# Altium PCB RX_test_01.PcbDoc (part 2 of 3)
Units mm, origin at the board's own origin, x right, y up, seen from the top; angles counter-clockwise.
Board outline 200 x 100 mm, 4 copper layers (Top Copper, Signal Layer 1, Signal Layer 2, Bottom Copper), stack 1.57 mm thick; 283 components, 176 nets, 839 pads, 935 vias.
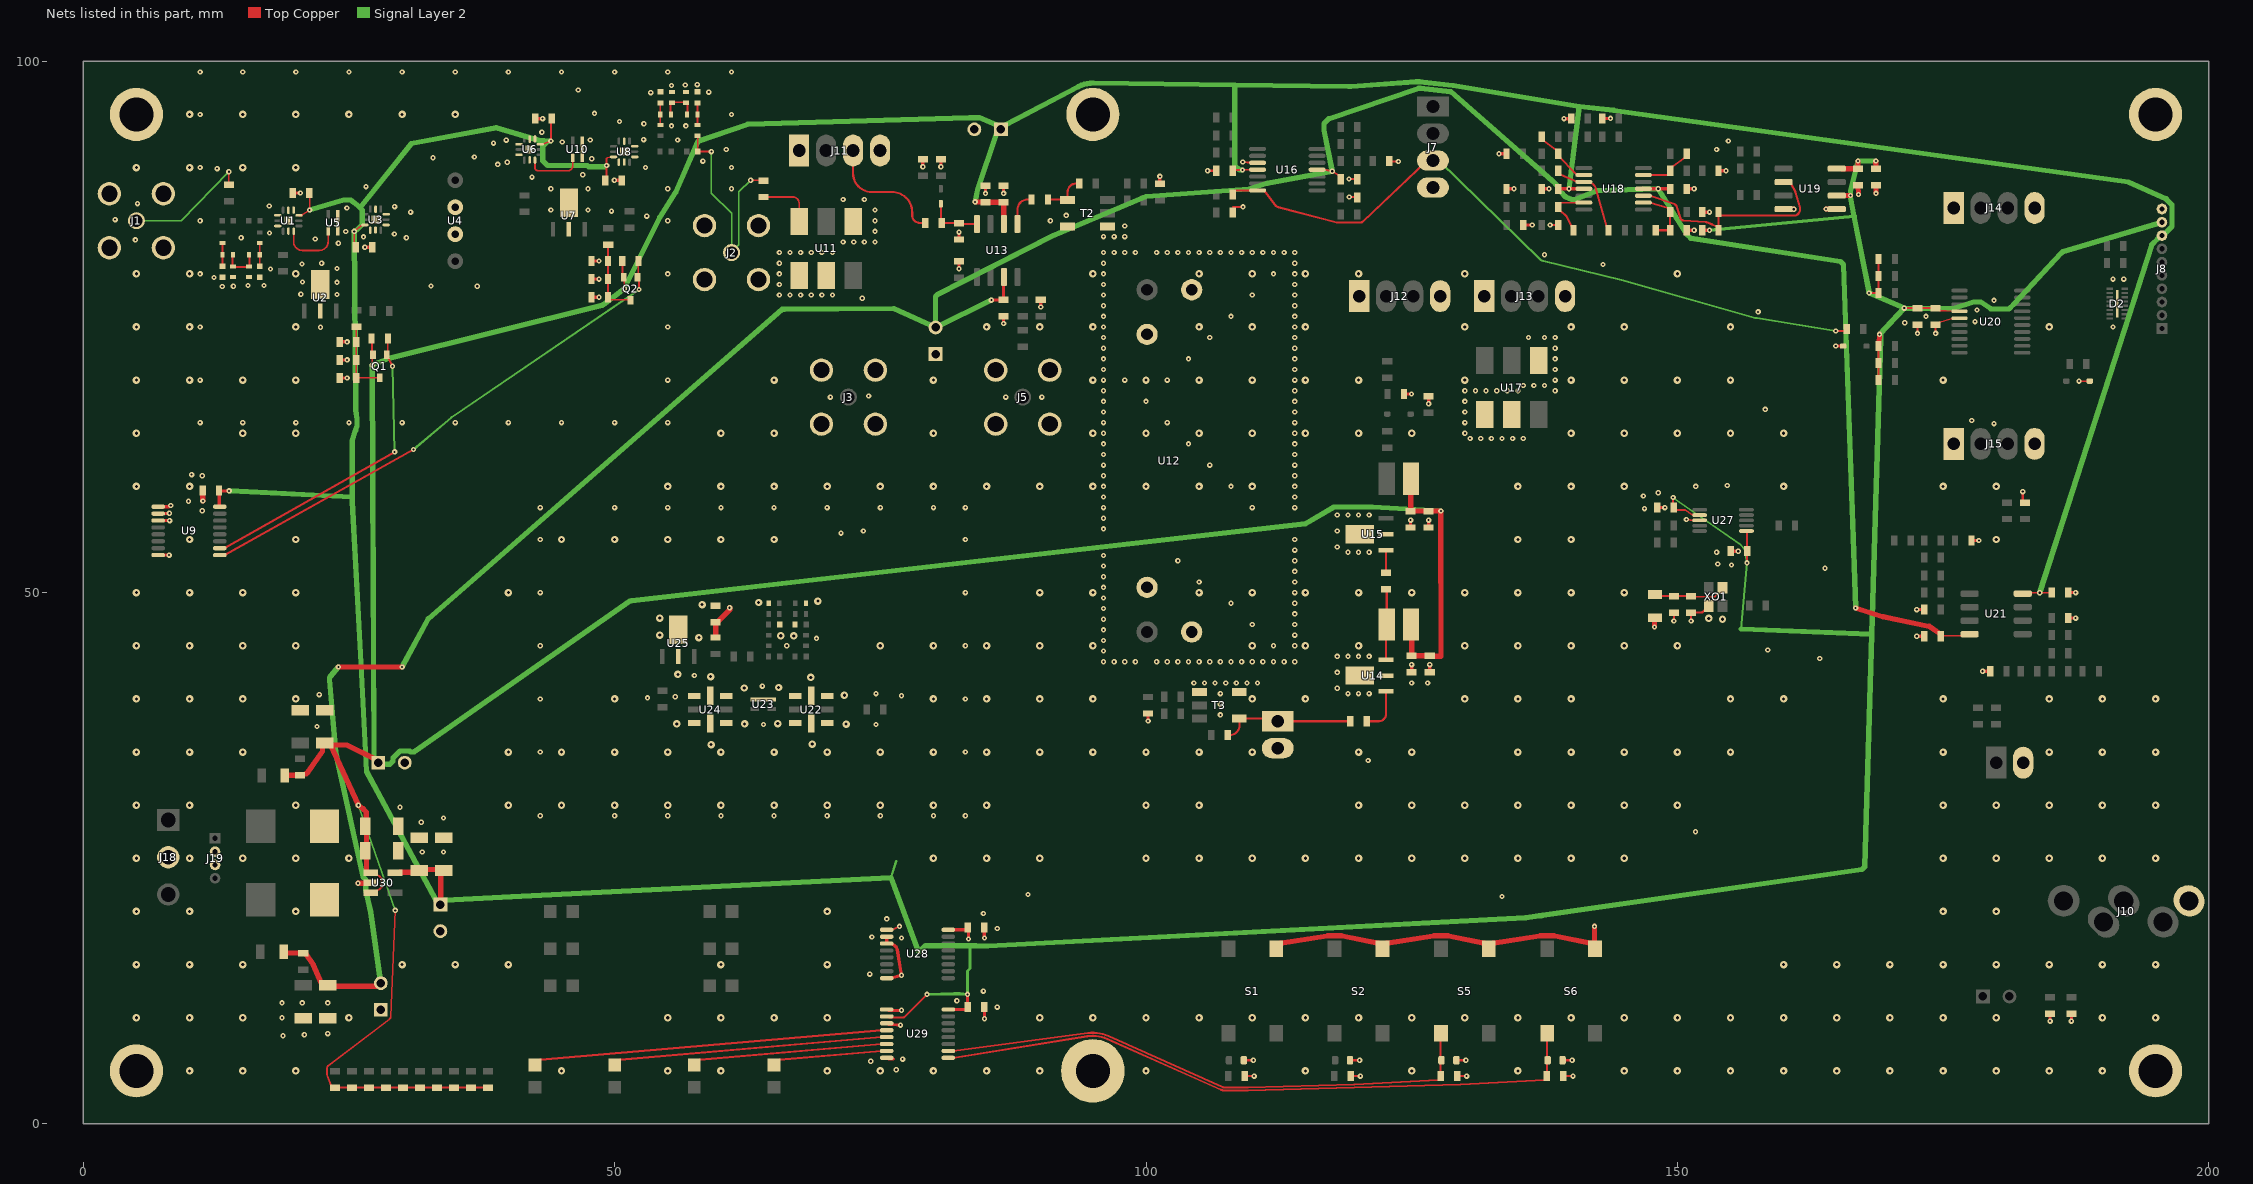
[diagram p4: the nets of this part, all layers, seen from the top]

## Part data (continued)
R2 R3 R5 R6 R69 R70: library part AT0402BRD0749R9L, "Thin Film Resistors - SMD 49.9 Ohms 0.1% Tol. AEC-Q200", Case Code - in=0402, Case Code - mm=1005, Manufacturer=Yageo, Maximum Operating Temperature="+ 125 C", Minimum Operating Temperature="- 55 C", Operating Temperature Range="- 55 C to + 125 C", Package / Case="0402 (1005 metric)", Power Rating="62.5 mW (1/16 W)", Resistance="49.9 Ohms", Supplier Part Number 1=603-AT0402BRD0749R9L, Temperature Coefficient="25 PPM / C", Tolerance="0.1 %", Voltage Rating="50 V", Brand=Yageo, Category="Thin Film Resistors - SMD", CNHTS=8533211000, ComponentLink1Description=http://www.mouser.com/datasheet/2/447/PYu-AT_51_RoHS_L_5-1222714.pdf, ComponentLink1URL=http://www.mouser.com/datasheet/2/447/PYu-AT_51_RoHS_L_5-1222714.pdf, Diameter=-, Features=-, Height="0.3 mm", HTS Code=8533210030, Length="1 mm", Manufacturer Part Number=AT0402BRD0749R9L, Minimum Order Quantity=1, Mounting Style="PCB Mount", MXHTS=85332101, Packaging="Cut Tape", Pricing 1="1=0.594, 10=0.346, 100=0.139, 1000=0.106, 2500=0.081, 10000=0.079, 20000=0.077 (EUR)", Product="Thin Film Resistors SMD", Product Type="Thin Film Resistors", Qualification=AEC-Q200, Reeling=True, RoHS="RoHS Compliant", RoHS - Mouser=Y, Series=AT, Standard Pack Qty=10000, Stock 1=9662, Subcategory=Resistors, Supplier 1=Mouser, TARIC=8533210000, Termination Style=SMD/SMT, Type="High Precision High Stability Chip Resistors", Width="0.5 mm"
R7 R8 R9 R10 R12 R15 R28: library part RC0603FR-071K8L, "Res Thick Film 0603 1.8K Ohm 1% 0.1W(1/10W) ±100ppm/C Molded SMD Paper T/R", Case Code (Imperial)=0603, Case Code (Metric)=1608, Manufacturer=Yageo, Max Operating Temperature=155°C, Max Power Dissipation=100mW, Min Operating Temperature=-55°C, Package Quantity=5000, Resistance=1k8, Supplier Part Number 1=603-RC0603FR-071K8L, Temperature Coefficient=100ppm/°C, Tolerance=1%, Voltage Rating=50V, Case/Package=0603, Category="Chip SMD Resistors", ComponentLink1Description=https://datasheet.ciiva.com/11808/0900766b80f96399-11808105.pdf?src-supplier=RSComponents, ComponentLink1URL=https://datasheet.ciiva.com/11808/0900766b80f96399-11808105.pdf?src-supplier=RSComponents, ComponentLink2Description=https://datasheet.ciiva.com/2519/pyu-r-int-thick-7-2519189.pdf?src-supplier=Digi-Key, ComponentLink2URL=https://datasheet.ciiva.com/2519/pyu-r-int-thick-7-2519189.pdf?src-supplier=Digi-Key, ComponentLink3Description=https://datasheet.ciiva.com/7746/443971-7746277.pdf?src-supplier=Element14, ComponentLink3URL=https://datasheet.ciiva.com/7746/443971-7746277.pdf?src-supplier=Element14, ComponentLink4Description=https://datasheet.ciiva.com/2519/pyu-r-int-thick-7-2519190.pdf?src-supplier=Digi-Key, ComponentLink4URL=https://datasheet.ciiva.com/2519/pyu-r-int-thick-7-2519190.pdf?src-supplier=Digi-Key, ComponentLink5Description=https://datasheet.ciiva.com/7746/443971-7746278.pdf?src-supplier=Element14, ComponentLink5URL=https://datasheet.ciiva.com/7746/443971-7746278.pdf?src-supplier=Element14, ComponentLink6Description=https://datasheet.ciiva.com/12558/rc0603-272842-12558694.pdf?src-supplier=Mouser, ComponentLink6URL=https://datasheet.ciiva.com/12558/rc0603-272842-12558694.pdf?src-supplier=Mouser, ComponentLink7Description=https://datasheet.ciiva.com/2519/pyu-r-int-thick-7-2519191.pdf?src-supplier=Digi-Key, ComponentLink7URL=https://datasheet.ciiva.com/2519/pyu-r-int-thick-7-2519191.pdf?src-supplier=Digi-Key, Composition="Thick Film", Depth=0.8mm, Features="Moisture Resistant", Height=0.45mm, Lead Free="Lead Free", Length=1.6mm, Manufacturer Part Number=RC0603FR-071K8L, Military Standard=Not, Number of Pins=2, Number of Terminations=2, Packaging="Tape and Reel", Power Rating=100mW, Pricing 1="1=0,10000, 10=0,01800, 100=0,00600, 1000=0,00500, 5000=0,00300, 10000=0,00300 (USD)", REACH SVHC="No SVHC", RoHS=Yes, Stock 1=505177, Supplier 1=Mouser, Supplier 2=Digi-Key, Supplier 3=Farnell, Supplier Part Number 2=311-1.80KHRCT-ND, Supplier Part Number 3=2693664, Termination=SMD/SMT, Voltage Rating (DC)=50V, Width=0.8mm
R11 R93: library part CRCW06030000Z0EA, "RES SMD 0 OHM JUMPER 1/10W 0603", Manufacturer="Vishay Dale", Operating Temperature="-55°C ~ 155°C", Package / Case="0603 (1608 Metric)", Power (Watts)="0.1W, 1/10W", Supplier Device Package=0603, Supplier Part Number 1=71-CRCW0603-0-E3, Temperature Coefficient=-, Tolerance=Jumper, Category=Resistors, ComponentLink1Description=http://www.vishay.com/docs/20035/dcrcwe3.pdf, ComponentLink1URL=http://www.vishay.com/docs/20035/dcrcwe3.pdf, Composition="Thick Film", Failure Rate=-, Features="Automotive AEC-Q200", Height - Seated (Max)="0.020\" (0.50mm)", Manufacturer Part Number=CRCW06030000Z0EA, Packaging="Cut Tape (CT)", Part Status=Active, Pricing 1="1=0.1, 10=0.028, 25=0.0204, 50=0.0154, 100=0.0114, 250=0.00868, 500=0.00694, 1000=0.00511 (USD)", Resistance=0R, RoHS="RoHS Compliant", Size / Dimension="0.063\" L x 0.033\" W (1.60mm x 0.85mm)", Stock 1=0, Supplier 1=Mouser, Supplier 2=Farnell, Supplier 3=Digi-Key, Supplier Part Number 2=1469739, Supplier Part Number 3=541-0.0GCT-ND
R13 R14 R24 R35 R41 R59 R61 R72: library part CRCW060351R0FKEA, "RES SMD 51 OHM 1% 1/10W 0603", Manufacturer="Vishay Dale", Operating Temperature="-55°C ~ 155°C", Package / Case="0603 (1608 Metric)", Power (Watts)="0.1W, 1/10W", Resistance=51R, Supplier Device Package=0603, Supplier Part Number 1=71-CRCW0603-51-E3, Temperature Coefficient=±100ppm/°C, Tolerance=±1%, Category=Resistors, ComponentLink1Description=http://www.vishay.com/docs/20035/dcrcwe3.pdf, ComponentLink1URL=http://www.vishay.com/docs/20035/dcrcwe3.pdf, Composition="Thick Film", Failure Rate=-, Features="Automotive AEC-Q200", Height - Seated (Max)="0.020\" (0.50mm)", Manufacturer Part Number=CRCW060351R0FKEA, Packaging="Cut Tape (CT)", Part Status=Active, Pricing 1="1=0.1, 10=0.042, 100=0.017, 1000=0.00764, 2500=0.00663 (USD)", RoHS="RoHS Compliant", Size / Dimension="0.063\" L x 0.033\" W (1.60mm x 0.85mm)", Stock 1=21691, Supplier 1=Mouser, Supplier 2=Farnell, Supplier 3=Digi-Key, Supplier Part Number 2=1652889, Supplier Part Number 3=541-51.0HCT-ND
R16 R17 R20 R21 R22 R30 R32 R34 R42 R43 R44 R46 R60 R66 R67 R68 R89 R90: library part RC0603FR-0710KL, "YAGEO (PHYCOMP) - RC0603FR-0710KL - RES, THICK FILM, 10K, 1%, 0.1W, 0603", Manufacturer="YAGEO (PHYCOMP)", Power Rating=100, Resistance=10k, Resistance Tolerance="± 1%", Resistor Case Style="0603 [1608 Metric]", Resistor Element Material="Thick Film", Supplier Part Number 1=603-RC0603FR-0710KL, Temperature Coefficient="± 100", Voltage Rating=50, Automotive Qualification Standard=-, ComponentLink1Description=http://past.yageo.com/pdf/PYu-R_Packing_6.pdf, ComponentLink1URL=http://past.yageo.com/pdf/PYu-R_Packing_6.pdf, ComponentLink2Description=http://www.farnell.com/datasheets/2167052.pdf, ComponentLink2URL=http://www.farnell.com/datasheets/2167052.pdf, Manufacturer Part Number=RC0603FR-0710KL, MSL="MSL 1 - Unlimited<!--FANDB--><div class=\"features-and-benefits-container\"><div class=\"features-and-benefits-desc-container\"><span class=\"features-and-benefits-container-desc\">SMD Chip Resistor, Thick Film, 10 kohm, 50 V, 0603 [1608 Metric], 100 mW, ± 1", Packaging="Tape & Reel", Pricing 1="5000=0.0025, 25000=0.0014, 50000=0.0013 (GBP)", Product Range="RC Series", RoHS=YES, Stock 1=9995, Supplier 1=Mouser, Supplier 2=Farnell, Supplier 3=Digi-Key, Supplier Part Number 2=2421850, Supplier Part Number 3=311-10.0KHRCT-ND, SVHC="No SVHC (20-Jun-2016)"
R18: library part RC0603FR-0730KL, "YAGEO - RC0603FR-0730KL - RES, THICK FILM, 30K, 1%, 0.1W, 0603, REEL", Case Code (Imperial)=0603, Case Code (Metric)=1608, Manufacturer=Yageo, Max Operating Temperature=155°C, Max Power Dissipation=100mW, Min Operating Temperature=-55°C, Package Quantity=5000, Resistance=30k, Resistance Tolerance=1%, Resistor Type="Thick Film", Supplier Part Number 1=603-RC0603FR-0730KL, Temperature Coefficient=100ppm/°C, Voltage Rating=50V, Case/Package=0603, Category="Chip SMD Resistors", ComponentLink1Description=https://datasheet.ciiva.com/12558/rc0603-272842-12558744.pdf?src-supplier=Mouser, ComponentLink1URL=https://datasheet.ciiva.com/12558/rc0603-272842-12558744.pdf?src-supplier=Mouser, ComponentLink2Description=https://datasheet.ciiva.com/46395/443971-46395003.pdf?src-supplier=Element14, ComponentLink2URL=https://datasheet.ciiva.com/46395/443971-46395003.pdf?src-supplier=Element14, Construction=Rectangular, Depth=0.8mm, Features="Moisture Resistant", Height=0.45mm, Lead Free="Lead Free", Length=1.6mm, Manufacturer Part Number=RC0603FR-0730KL, Military Standard=Not, Number of Pins=2, Number of Terminations=2, Packaging="Tape and Reel", Power Rating=100mW, Pricing 1="1=0.10000, 10=0.01800, 50=0.01800, 100=0.00600, 1000=0.00500, 10000=0.00300 (USD)", REACH SVHC=Unknown, RoHS=Yes, RoHS Compliant=Yes, Series=RC, Size Code=0603, Stock 1=345417, Supplier 1=Mouser, Supplier 2=Farnell, Supplier 3=Digi-Key, Supplier Part Number 2=3495811, Supplier Part Number 3=311-30.0KHRCT-ND, Termination=SMD/SMT, Tolerance=1%, Voltage Rating (DC)=50V, Width=0.8mm
R19 R29 R31 R33 R58: library part AC0603FR-074K7L, "RES SMD 4.7K OHM 1% 1/10W 0603", Manufacturer=Yageo, Operating Temperature="-55°C ~ 155°C", Package / Case="0603 (1608 Metric)", Power (Watts)="0.1W, 1/10W", Resistance=4k7, Supplier Device Package=0603, Supplier Part Number 1=603-AC0603FR-074K7L, Temperature Coefficient=±100ppm/°C, Tolerance=±1%, Category=Resistors, ComponentLink1Description=http://www.yageo.com/NewPortal/yageodocoutput?fileName=/pdf/R-Chip/PYu-AC_51_RoHS_L_6.pdf, ComponentLink1URL=http://www.yageo.com/NewPortal/yageodocoutput?fileName=/pdf/R-Chip/PYu-AC_51_RoHS_L_6.pdf, Composition="Thick Film", Failure Rate=-, Features="Automotive AEC-Q200, Moisture Resistant", Height - Seated (Max)="0.022\" (0.55mm)", Manufacturer Part Number=AC0603FR-074K7L, Packaging="Cut Tape (CT)", Part Status=Active, Pricing 1="1=0.1, 10=0.025, 100=0.01, 1000=0.00448, 2500=0.00389 (USD)", RoHS="RoHS Compliant", Size / Dimension="0.063\" L x 0.032\" W (1.60mm x 0.80mm)", Stock 1=391581, Supplier 1=Mouser, Supplier 2=Digi-Key, Supplier 3="Future Electronics", Supplier Part Number 2=YAG3613CT-ND, Supplier Part Number 3=AC0603FR-074K7L-CUTT
R23: library part AC0603FR-0720KL, "RES SMD 20K OHM 1% 1/10W 0603", Manufacturer=Yageo, Operating Temperature="-55°C ~ 155°C", Package / Case="0603 (1608 Metric)", Power (Watts)="0.1W, 1/10W", Resistance=20k, Supplier Device Package=0603, Supplier Part Number 1=603-AC0603FR-0720KL, Temperature Coefficient=±100ppm/°C, Tolerance=±1%, Category=Resistors, ComponentLink1Description=http://www.yageo.com/NewPortal/yageodocoutput?fileName=/pdf/R-Chip/PYu-AC_51_RoHS_L_6.pdf, ComponentLink1URL=http://www.yageo.com/NewPortal/yageodocoutput?fileName=/pdf/R-Chip/PYu-AC_51_RoHS_L_6.pdf, Composition="Thick Film", Failure Rate=-, Features="Automotive AEC-Q200, Moisture Resistant", Height - Seated (Max)="0.022\" (0.55mm)", Manufacturer Part Number=AC0603FR-0720KL, Packaging="Cut Tape (CT)", Part Status=Active, Pricing 1="1=0.1, 10=0.025, 100=0.01, 1000=0.00448, 2500=0.00389 (USD)", RoHS="RoHS Compliant", Size / Dimension="0.063\" L x 0.032\" W (1.60mm x 0.80mm)", Stock 1=120000, Supplier 1=Mouser, Supplier 2=Digi-Key, Supplier Part Number 2=YAG3577CT-ND
R25: library part RC0603FR-0722RL, "YAGEO (PHYCOMP) - RC0603FR-0722RL - RES, THICK FILM, 22R, 1%, 0.1W, 0603", Full Power Rating Temperature=70, Manufacturer="YAGEO (PHYCOMP)", Operating Temperature Max=155, Operating Temperature Min=-55, Operating Temperature Range="-55°C to +155", Power Rating=100, Resistance=22R, Resistance Tolerance="± 1%", Resistor Case Style="0603 [1608 Metric]", Resistor Element Material="Thick Film", Resistor Mounting="Surface Mount Device", Supplier Part Number 1=603-RC0603FR-0722RL, Temperature Coefficient="± 100", Tolerance +=1%, Voltage Rating=50, Voltage Rating V DC="50V<!--FANDB--><div class=\"features-and-benefits-container\"><div class=\"features-and-benefits-desc-container\"><span class=\"features-and-benefits-container-desc\">SMD Chip Resistor, Thick Film, 22 ohm, 50 V, 0603 [1608 Metric], 100 mW, ± 1%, RC Series</span></div><div class=\"features-and-benefits-description\"><span class=\"features-benefits-value\">The Yageo RC_L series resistors are general purpose thick film chip resistors with lead free terminations made by thick film process. The resistance range includes E24 and E96 decade values from 1ohm to 100Mohm. These resistors are constructed on top of a high grade ceramic body.</span></div><div class=\"features-and-benefits-list\"><ul class=\"features-and-benefits-list-list\"><li class=\"features-and-benefits-list-item\">EIA 0075, 0100, 0201, 0402, 0603, 0805, 1206, 1210, 1218, 2010, 2512 case sizes available</li><li class=\"features-and-benefits-list-item\">Small chip sizes save PCB space</li><li class=\"features-and-benefits-list-item\">Rated voltage range of 10V to 200V</li><li class=\"features-and-benefits-list-item\">Maximum power rating of 2W</li><li class=\"features-and-benefits-list-item\">Available in ±0.1%, ±0.5%, ±1% and ±5% tolerance</li><li class=\"features-and-benefits-list-item\">High component and equipment reliability</li><li class=\"features-and-benefits-list-item\">Forbidden materials are not used in products/production</li><li class=\"features-and-benefits-list-item\">-55°C to 155°C temperature range for RC0402 to RC2512 and -55°C to 125°C for RC0075 to RC0201", Automotive Qualification Standard=-, ComponentLink1Description=http://www.farnell.com/datasheets/2167052.pdf, ComponentLink1URL=http://www.farnell.com/datasheets/2167052.pdf, ComponentLink2Description=http://www.farnell.com/cad/1555248.zip, ComponentLink2URL=http://www.farnell.com/cad/1555248.zip, External Depth=0.45, External Length / Height=1.6, External Width=0.8, Manufacturer Part Number=RC0603FR-0722RL, MSL="MSL 1 - Unlimited", No. of Pins=2, Packaging="Cut Tape", Pricing 1="10=0.0102, 100=0.0068, 500=0.0051, 1000=0.0041, 2500=0.0034 (GBP)", Product Range="RC Series", Reel Quantity=5000, RoHS=YES, Stock 1=33025, Supplier 1=Mouser, Supplier 2=Farnell, Supplier 3=Digi-Key, Supplier Part Number 2=9238280, Supplier Part Number 3=311-22.0HRCT-ND, SVHC="No SVHC (20-Jun-2016)", Temperature Coeff. +=100, Temperature Coeff. -=100, Tolerance -=1%
R36 R39 R45 R75 R76 R77 R78 R82 R83 R85 R86 R87 R88: library part MCWR06X1001FTL, "MULTICOMP - MCWR06X1001FTL - RES, THICK FILM, 1K, 1%, 0.1W, 0603", Manufacturer=MULTICOMP, Power Rating=100, Resistance=1k, Resistance Tolerance="± 1%", Resistor Case Style="0603 [1608 Metric]", Resistor Element Material="Thick Film", Supplier Part Number 1=2447272, Temperature Coefficient="± 100", Voltage Rating=50, Automotive Qualification Standard=-, ComponentLink1Description=http://www.farnell.com/datasheets/1849611.pdf, ComponentLink1URL=http://www.farnell.com/datasheets/1849611.pdf, Manufacturer Part Number=MCWR06X1001FTL, Packaging="Cut Tape", Pricing 1="10=0.0037, 100=0.0022, 500=0.0016, 1000=0.0012, 2500=0.001 (GBP)", Product Range="MCWR Series", RoHS=Y-EX, Stock 1=134740, Supplier 1=Farnell, Supplier 2=Newark, Supplier Part Number 2=94X1378, SVHC="No SVHC (07-Jul-2017)<!--FANDB--><div class=\"features-and-benefits-container\"><div class=\"features-and-benefits-desc-container\"><span class=\"features-and-benefits-container-desc\">SMD Chip Resistor, Thick Film, 1 kohm, 50 V, 0603 [1608 Metric], 100 mW, ± 1"
R37: library part CRCW060310R0FKEAC, "D11/CRCW0603-C 100 10R 1%", Manufacturer="Vishay Dale", Operating Temperature="-55°C ~ 155°C", Package / Case="0603 (1608 Metric)", Power (Watts)="0.1W, 1/10W", Resistance=10R, Supplier Device Package=0603, Supplier Part Number 1=71-CRCW060310R0FKEAC, Temperature Coefficient=±100ppm/°C, Tolerance=±1%, Category=Resistors, ComponentLink1Description=http://www.vishay.com/docs/28773/crcwce3.pdf, ComponentLink1URL=http://www.vishay.com/docs/28773/crcwce3.pdf, Composition="Thick Film", Failure Rate=-, Features=-, Height - Seated (Max)="0.022\" (0.55mm)", Manufacturer Part Number=CRCW060310R0FKEAC, Packaging="Cut Tape (CT)", Part Status=Active, Pricing 1="1=0.1, 10=0.027, 100=0.0108, 1000=0.00487, 2500=0.00422 (USD)", RoHS="RoHS Compliant", Stock 1=49728, Supplier 1=Mouser, Supplier 2=Digi-Key, Supplier Part Number 2=541-3952-1-ND
R38 R53 R54: library part MCWR06X1000FTL, "MULTICOMP - MCWR06X1000FTL - RES, THICK FILM, 100R, 1%, 0.1W, 0603", Manufacturer=MULTICOMP, Power Rating=100, Resistance=100R, Resistance Tolerance="± 1%", Resistor Case Style="0603 [1608 Metric]", Resistor Element Material="Thick Film", Supplier Part Number 1=2447227, Temperature Coefficient="± 100", Voltage Rating=50, Automotive Qualification Standard=-, ComponentLink1Description=http://www.farnell.com/datasheets/1849611.pdf, ComponentLink1URL=http://www.farnell.com/datasheets/1849611.pdf, Manufacturer Part Number=MCWR06X1000FTL, Packaging="Cut Tape", Pricing 1="10=0.0032, 100=0.002, 500=0.0013, 1000=0.0011, 2500=0.0009 (GBP)", Product Range="MCWR Series", RoHS=Y-EX, Stock 1=246691, Supplier 1=Farnell, SVHC="No SVHC (07-Jul-2017)<!--FANDB--><div class=\"features-and-benefits-container\"><div class=\"features-and-benefits-desc-container\"><span class=\"features-and-benefits-container-desc\">SMD Chip Resistor, Thick Film, 100 ohm, 50 V, 0603 [1608 Metric], 100 mW, ± 1%, MCWR Series</span></div><div class=\"features-and-benefits-description\"><span class=\"features-benefits-value\">The MCWR06X1000FTL is a thick film Chip Resistor with 0603 chip format. The resistor is constructed in a high grade ceramic body (aluminium oxide). Internal metal electrodes are added at each end and connected by a resistive paste that is applied to the top surface of the substrate. The composition of the paste is adjusted to give the approximate resistance required and the value is trimmed to within tolerance by laser cutting of this resistive layer.</span></div><div class=\"features-and-benefits-list\"><ul class=\"features-and-benefits-list-list\"><li class=\"features-and-benefits-list-item\">High reliability and stability</li><li class=\"features-and-benefits-list-item\">Reduced size of final equipment</li><li class=\"features-and-benefits-list-item\">Lower assembly costs</li><li class=\"features-and-benefits-list-item\">Higher component and equipment reliability</li></ul></div><div class=\"features-and-benefits-applications\"><ul class=\"features-and-benefits-value\"><li class=\"features-and-benefits-list-item\">Consumer Electronics</li><li class=\"features-and-benefits-list-item\">Computers & Computer Peripherals</li><li class=\"features-and-benefits-list-item\">Communications & Networking</li></ul></div></div>"
R40: library part RC0603FR-0768KL, "RES SMD 68K OHM 1% 1/10W 0603", Manufacturer=Yageo, Operating Temperature="-55°C ~ 155°C", Package / Case="0603 (1608 Metric)", Power (Watts)="0.1W, 1/10W", Resistance=68k, Supplier Device Package=0603, Supplier Part Number 1=603-RC0603FR-0768KL, Temperature Coefficient=±100ppm/°C, Tolerance=±1%, Category=Resistors, ComponentLink1Description=http://www.yageo.com/documents/recent/PYu-RC_Group_51_RoHS_L_8.pdf, ComponentLink1URL=http://www.yageo.com/documents/recent/PYu-RC_Group_51_RoHS_L_8.pdf, Composition="Thick Film", Failure Rate=-, Features="Moisture Resistant", Height - Seated (Max)="0.022\" (0.55mm)", Manufacturer Part Number=RC0603FR-0768KL, Packaging="Cut Tape (CT)", Part Status=Active, Pricing 1="1=0.1, 10=0.015, 100=0.006, 1000=0.00268, 2500=0.00233 (USD)", RoHS="RoHS Compliant", Size / Dimension="0.063\" L x 0.032\" W (1.60mm x 0.80mm)", Stock 1=1240858, Supplier 1=Mouser, Supplier 2=Farnell, Supplier 3=Digi-Key, Supplier Part Number 2=9238700, Supplier Part Number 3=311-68.0KHRCT-ND
R47 R48 R49: library part CRCW06034K70FKEA, "RES SMD 4.7K OHM 1% 1/10W 0603", Manufacturer="Vishay Dale", Operating Temperature="-55°C ~ 155°C", Package / Case="0603 (1608 Metric)", Power (Watts)="0.1W, 1/10W", Resistance=4k7, Supplier Device Package=0603, Supplier Part Number 1=71-CRCW0603-4.7K-E3, Temperature Coefficient=±100ppm/°C, Tolerance=±1%, Category=Resistors, ComponentLink1Description=http://www.vishay.com/docs/20035/dcrcwe3.pdf, ComponentLink1URL=http://www.vishay.com/docs/20035/dcrcwe3.pdf, Composition="Thick Film", Failure Rate=-, Features="Automotive AEC-Q200", Height - Seated (Max)="0.020\" (0.50mm)", Manufacturer Part Number=CRCW06034K70FKEA, Packaging="Cut Tape (CT)", Part Status=Active, Pricing 1="1=0.1, 10=0.042, 100=0.017, 1000=0.00764, 2500=0.00663 (USD)", RoHS="RoHS Compliant", Size / Dimension="0.063\" L x 0.033\" W (1.60mm x 0.85mm)", Stock 1=0, Supplier 1=Mouser, Supplier 2=Farnell, Supplier 3=Digi-Key, Supplier Part Number 2=1469807, Supplier Part Number 3=541-4.70KHCT-ND
R55: library part CRCW06032K20FKEA, "RES SMD 2.2K OHM 1% 1/10W 0603", Manufacturer="Vishay Dale", Operating Temperature="-55°C ~ 155°C", Package / Case="0603 (1608 Metric)", Power (Watts)="0.1W, 1/10W", Resistance=2k2, Supplier Device Package=0603, Supplier Part Number 1=71-CRCW0603-2.2K-E3, Temperature Coefficient=±100ppm/°C, Tolerance=±1%, Category=Resistors, ComponentLink1Description=http://www.vishay.com/docs/20035/dcrcwe3.pdf, ComponentLink1URL=http://www.vishay.com/docs/20035/dcrcwe3.pdf, Composition="Thick Film", Failure Rate=-, Features="Automotive AEC-Q200", Height - Seated (Max)="0.020\" (0.50mm)", Manufacturer Part Number=CRCW06032K20FKEA, Packaging="Cut Tape (CT)", Part Status=Active, Pricing 1="1=0.1, 10=0.042, 100=0.017, 1000=0.00764, 2500=0.00663 (USD)", RoHS="RoHS Compliant", Size / Dimension="0.063\" L x 0.033\" W (1.60mm x 0.85mm)", Stock 1=0, Supplier 1=Mouser, Supplier 2=Farnell, Supplier 3=Digi-Key, Supplier 4=TME, Supplier Part Number 2=1469765, Supplier Part Number 3=541-2.20KHCT-ND, Supplier Part Number 4=CRCW06032K20FKEA
R56: library part RC0603FR-079K1L, "RES SMD 9.1K OHM 1% 1/10W 0603", Manufacturer=Yageo, Operating Temperature="-55°C ~ 155°C", Package / Case="0603 (1608 Metric)", Power (Watts)="0.1W, 1/10W", Resistance=9k1, Supplier Device Package=0603, Supplier Part Number 1=603-RC0603FR-079K1L, Temperature Coefficient=±100ppm/°C, Tolerance=±1%, Category=Resistors, ComponentLink1Description=http://www.yageo.com/documents/recent/PYu-RC_Group_51_RoHS_L_8.pdf, ComponentLink1URL=http://www.yageo.com/documents/recent/PYu-RC_Group_51_RoHS_L_8.pdf, Composition="Thick Film", Failure Rate=-, Features="Moisture Resistant", Height - Seated (Max)="0.022\" (0.55mm)", Manufacturer Part Number=RC0603FR-079K1L, Packaging="Cut Tape (CT)", Part Status=Active, Pricing 1="1=0.1, 10=0.015, 100=0.006, 1000=0.00268, 2500=0.00233 (USD)", RoHS="RoHS Compliant", Size / Dimension="0.063\" L x 0.032\" W (1.60mm x 0.80mm)", Stock 1=198170, Supplier 1=Mouser, Supplier 2=Digi-Key, Supplier 3=Arrow, Supplier Part Number 2=311-9.10KHRCT-ND, Supplier Part Number 3=RC0603FR-079K1L
R57: library part RC0603FR-074K3L, "RES SMD 4.3K OHM 1% 1/10W 0603", Manufacturer=Yageo, Operating Temperature="-55°C ~ 155°C", Package / Case="0603 (1608 Metric)", Power (Watts)="0.1W, 1/10W", Resistance=4k3, Supplier Device Package=0603, Supplier Part Number 1=603-RC0603FR-074K3L, Temperature Coefficient=±100ppm/°C, Tolerance=±1%, Category=Resistors, ComponentLink1Description=http://www.yageo.com/documents/recent/PYu-RC_Group_51_RoHS_L_8.pdf, ComponentLink1URL=http://www.yageo.com/documents/recent/PYu-RC_Group_51_RoHS_L_8.pdf, Composition="Thick Film", Failure Rate=-, Features="Moisture Resistant", Height - Seated (Max)="0.022\" (0.55mm)", Manufacturer Part Number=RC0603FR-074K3L, Packaging="Cut Tape (CT)", Part Status=Active, Pricing 1="1=0.1, 10=0.015, 100=0.006, 1000=0.00268, 2500=0.00233 (USD)", RoHS="RoHS Compliant", Size / Dimension="0.063\" L x 0.032\" W (1.60mm x 0.80mm)", Stock 1=600881, Supplier 1=Mouser, Supplier 2=Digi-Key, Supplier Part Number 2=311-4.30KHRCT-ND